# Altium PCB AIWAC_A33_LVDS07_20181114..PcbDoc (part 1 of 14)
Units mm, origin at the board's own origin, x right, y up, seen from the top; angles counter-clockwise.
Board outline 96.06 x 45 mm, 2 copper layers (Top Layer, Bottom Layer); 78 components, 59 nets, 22856 pads, 712 vias.
Unrouted connection lines stored in the file: 2.
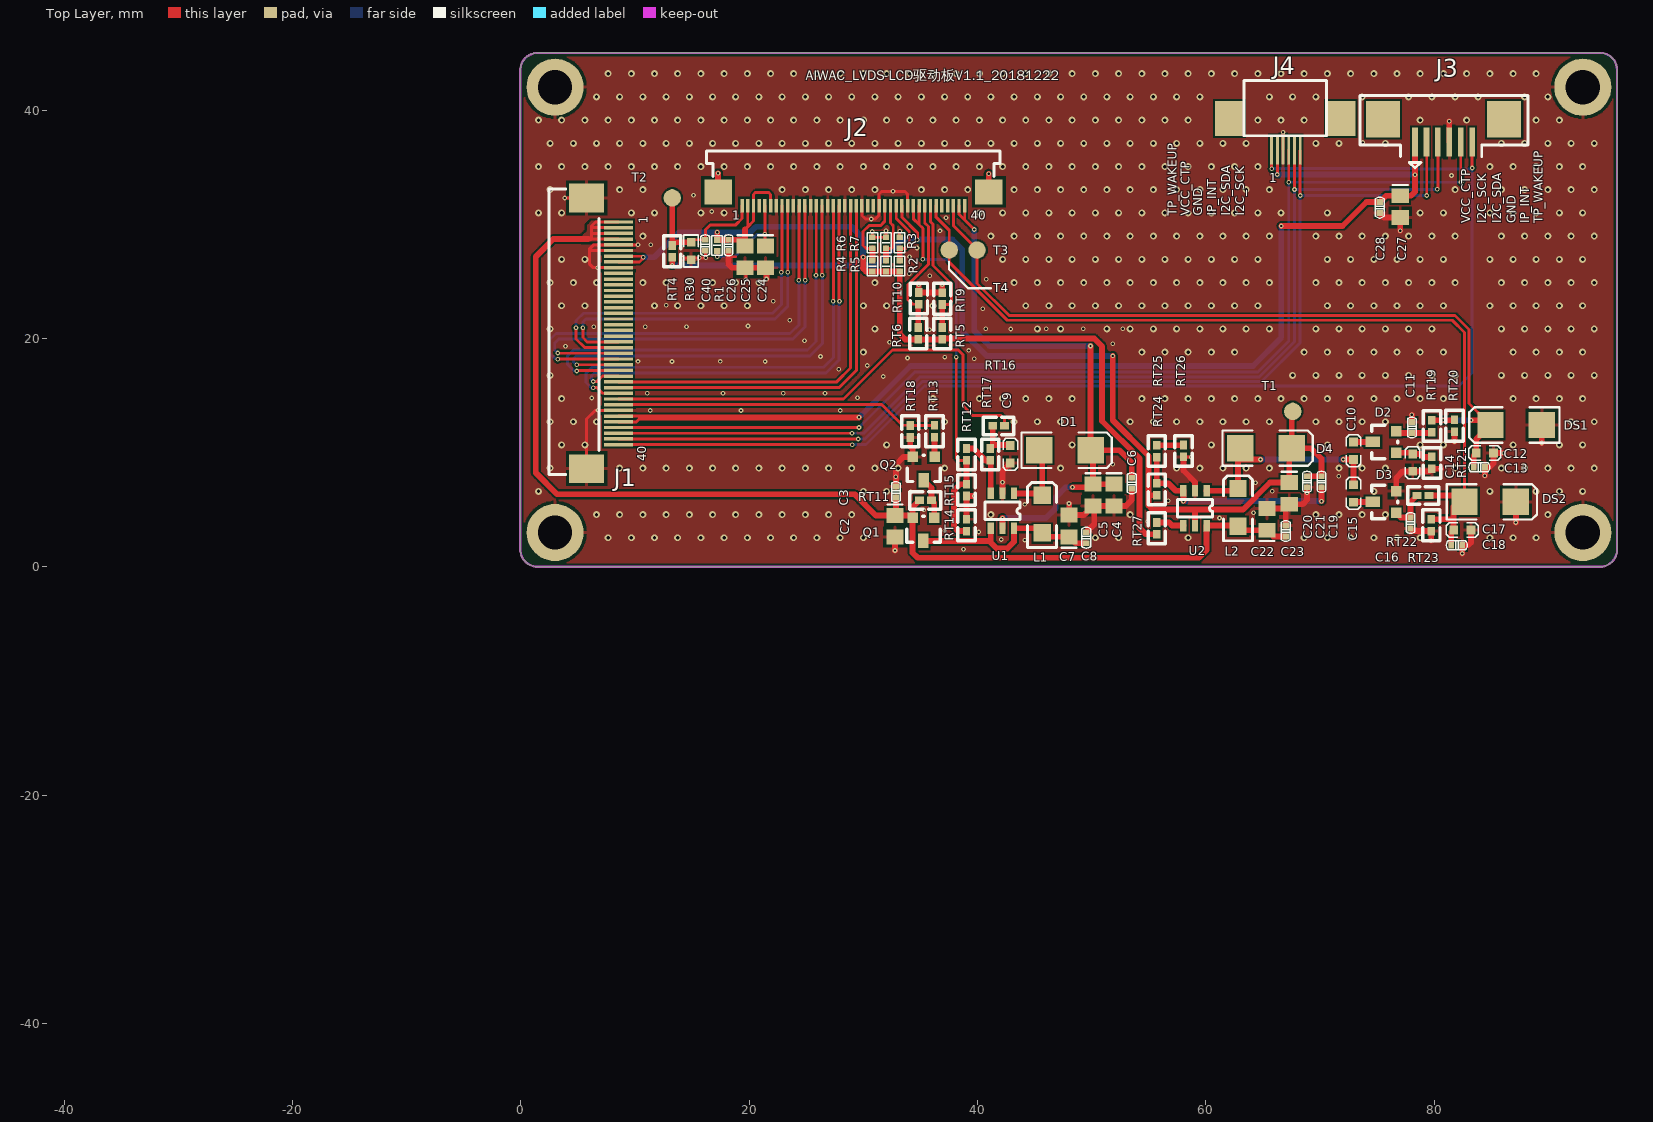
[diagram p0: Top Layer view]
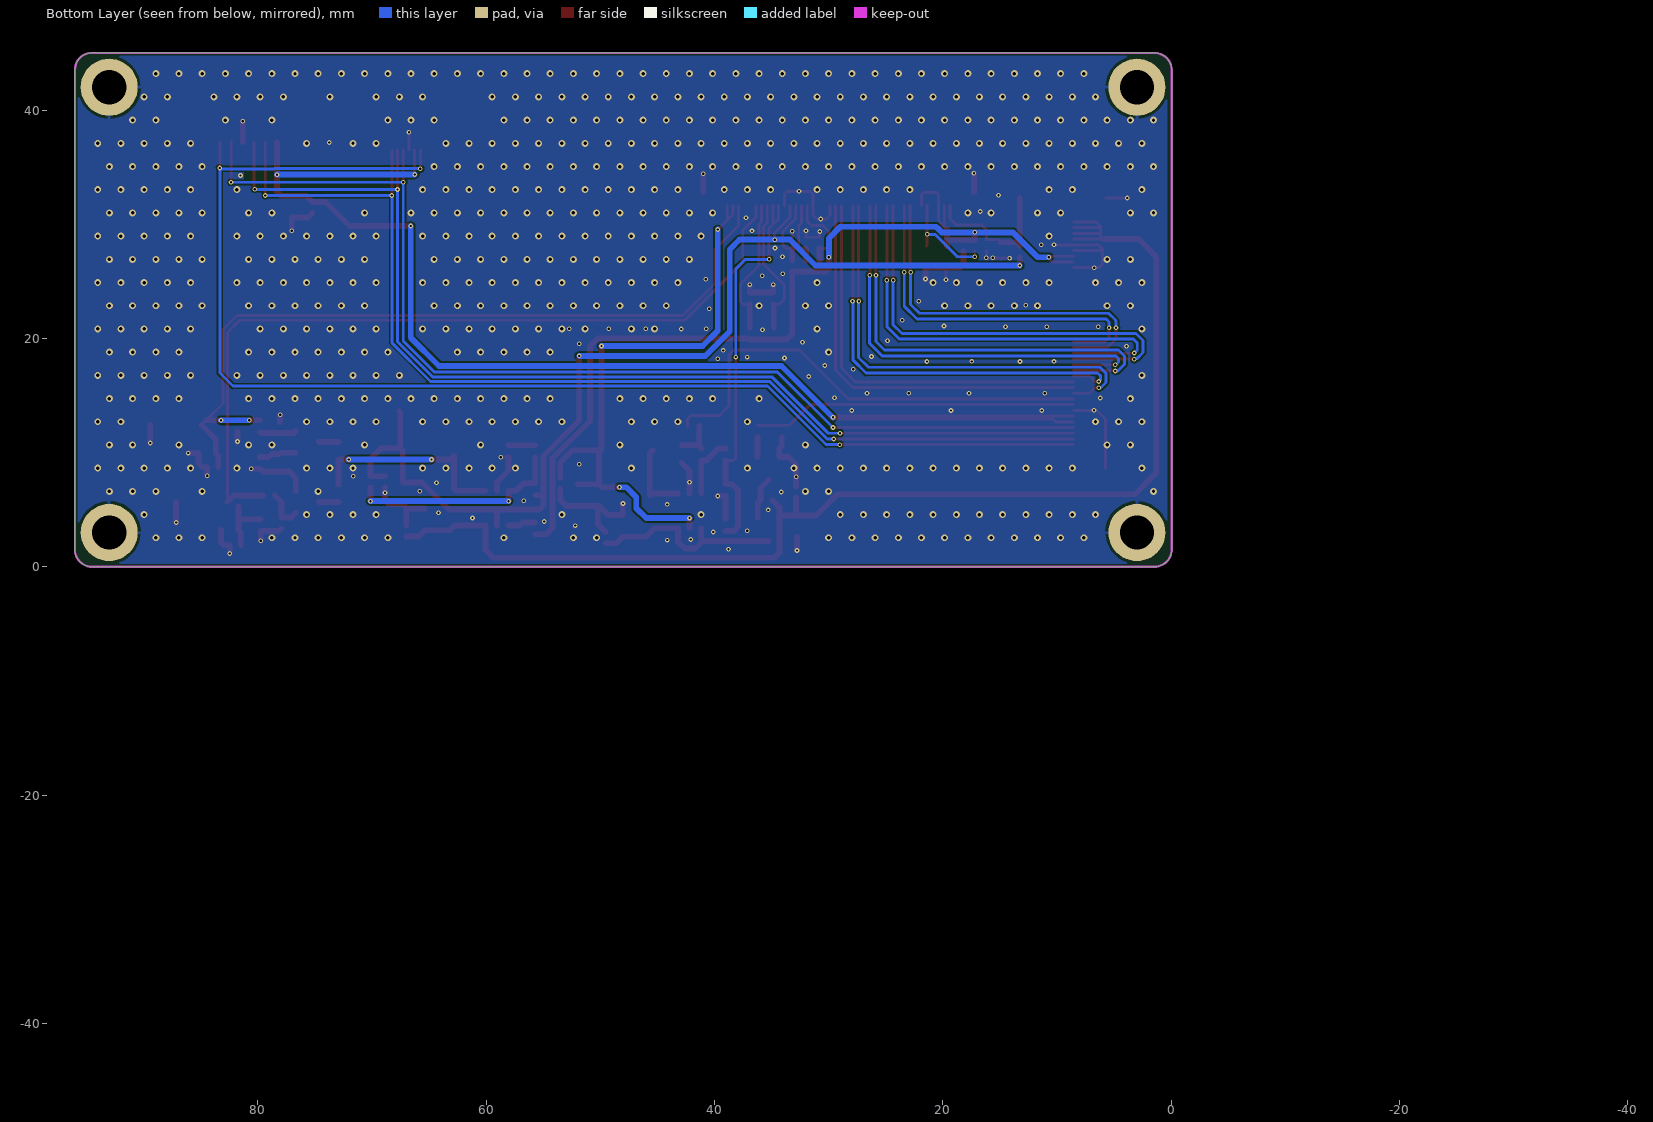
[diagram p1: Bottom Layer view, seen from below]

## Layer stack, top to bottom
Top Solder: solder mask 0.0102, Solder Resist, Dk 3.5
Top Layer: signal copper 0.0356
Dielectric 1: dielectric 0.32, FR-4, Dk 4.8
Bottom Layer: signal copper 0.0356
Bottom Solder: solder mask 0.0102, Solder Resist, Dk 3.5

## Board outline
1.5,0 cw(c1.472,1.528) -0.056,1.5 -0.056,43.5 cw(c1.472,43.472) 1.5,45 94.5,45 cw(c94.528,43.527) 96,43.555 96,1.5 cw(c94.5,1.5) 94.5,0

## Design rules (kind name [scope] priority, off if disabled: settings)
Clearance Clearance_1 [All] p1: gap=0.152
DiffPairsRouting DiffPair_DiffPairsRouting [All] p1: maxlimit=0.254 minlimit=0.254 mostfreqgap=0.254 toplayer_minwidth=0.254 toplayer_maxwidth=0.254 toplayer_prefwidth=0.254 bottomlayer_minwidth=0.254 bottomlayer_maxwidth=0.254 bottomlayer_prefwidth=0.254 maxuncoupledlength=12.7
DiffPairsRouting [All] p2: maxlimit=0.381 minlimit=0.254 mostfreqgap=0.254 toplayer_minwidth=0.254 toplayer_maxwidth=0.381 toplayer_prefwidth=0.254 bottomlayer_minwidth=0.254 bottomlayer_maxwidth=0.381 bottomlayer_prefwidth=0.254 maxuncoupledlength=12.7
MatchedLengths DiffPair_MatchedLengths [All] p1: tolerance=25.4 checknetsindiffpair=FALSE checkdiffpairvsdiffpair=TRUE checkxsignals=TRUE checkothers=TRUE
MinimumSolderMaskSliver [All] p1: minsoldermaskwidth=0.051
PlaneConnect [All] p1: planeconnectstyle=Direct reliefexpansion=0.508 reliefentries=4 reliefconductorwidth=0.254 reliefairgap=0.254
PolygonConnect PolygonConnect_2 [IsVia] p1: connectstyle=Direct reliefconductorwidth=0.254 reliefentries=4 polygonreliefangle="90 Angle" airgapwidth=0.254
PolygonConnect [All] p2: connectstyle=Relief reliefconductorwidth=0.254 reliefentries=4 polygonreliefangle="90 Angle" airgapwidth=0.254
RoutingVias [All] p1: holewidth=0.203 width=0.406 viastyle="Through Hole" minholewidth=0.203 minwidth=0.406 maxholewidth=0.203 maxwidth=0.406
SilkToSilkClearance [All] p1: silktosilkclearance=0.051
SilkToSolderMaskClearance [IsPad] p1: minsilkscreentomaskgap=0.051 clearancetoexposedcopper=TRUE
SolderMaskExpansion [All] p1: expansion=0.102
Width [All] p1: maxlimit=0.508 minlimit=0.152 preferedwidth=0.254 minimp=50.000000 maximp=50.000000 favimp=50.000000
25 further rules are at their usual default settings.

## Classes and differential pairs
differential pair D_LVDS0_C: +LVDS0_VPC -LVDS0_VNC
differential pair D_LCDS0_3: +LCDS0_VP3 -LCDS0_VN3
differential pair D_LVDS0_2: +LVDS0_VP2 -LVDS0_VN2
differential pair D_LVDS0_1: +LVDS0_VP1 -LVDS0_VN1
differential pair D_LVDS0_0: +LVDS0_VP0 -LVDS0_VN0

## Components (designator, comment, footprint, x,y, rotation, side; value= is the part's Value field where it differs from the comment)
C2 "10UF" C0805 32.766,3.546 r270 top locked
C3 "0.1UF" C0402 32.842,6.553 r90 top locked
C4 "10UF" C0805 51.954,6.286 r270 top locked
C5 "10UF" C0805 50.099,6.286 r270 top locked
C6 "0.1UF" C0402 53.503,7.308 r270 top locked
C7 "10UF" C0805 48.017,3.572 r90 top locked
C8 "0.1UF" C0402 49.515,2.549 r90 top locked
C9 "4.7UF" C0603 42.86,9.09 r90 top locked
C10 "1UF" C0603 72.923,10.922 r270 top locked
C11 "0.1UF" C0402 78.029,12.192 r90 top locked
C12 "1UF" C0603 85.185,9.957 r180 top locked
C13 "0.1UF" C0402 83.94,8.712 r0 top locked
C14 "0.1UF NC" C0603 78.105,8.357 r90 top locked
C15 "1UF" C0603 72.923,5.664 r90 top locked
C16 "0.1UF" C0402 77.915,3.835 r270 top locked
C17 "1UF" C0603 83.209,3.226 r180 top locked
C18 "0.1UF" C0402 81.964,1.88 r0 top locked
C19 "22PF" C0402 70.115,7.445 r270 top locked
C20 "10UF" C0805 67.295,6.423 r270 top locked
C21 "0.1UF" C0402 68.845,7.445 r270 top locked
C22 "10UF" C0805 65.339,4.156 r90 top locked
C23 "0.1UF" C0402 66.99,3.133 r90 top locked
C24 "10UF" C0805 21.438,27.134 r270 top locked
C25 "10UF" C0805 19.634,27.134 r270 top locked
C26 "0.1UF" C0402 18.186,28.156 r270 top locked
C27 "10UF" C0805 77.013,31.537 r270 top locked
C28 "0.1UF" C0402 75.209,31.455 r270 top locked
C40 "104J10V" C0402 16.154,28.156 r270 top locked
D1 "IN5819" SMB 47.65,10.208 r0 top locked
D2 "BAT54S" U-SOT-23-3 76.657,9.982 r90 top locked
D3 "BAT54S" U-SOT-23-3 76.657,4.724 r90 top locked
D4 "IN5819" SMB 65.253,10.385 r0 top locked
DS1 "16V" SMB 87.162,12.421 r180 top locked
DS2 "7.5V" SMB 84.887,5.69 r0 top locked
J1 "A33_CON_40P" "LCD P40" 5.751,8.596 r90 top locked
J2 "LVDS_LCD_40P" FPC-59240HU010R 19.372,31.623 r0 top locked
J3 "FPC1-6P/DT" "FPC 1MM-6PIN" 78.308,37.2 r0 top locked
J4 "FPC0.5-6P/DT" FPC0.5-6P/DT 65.746,36.48 r180 top locked
L1 "10UH" D1206 45.654,2.969 r90 top locked
L2 "10UH" D1206 62.799,3.553 r90 top locked
Q1 "PMOS" U-SOT-23-3 36.208,4.293 r180 top locked
Q2 "S8050" U-SOT-23-3 36.233,9.627 r180 top locked
R1 "10K" R0402 17.196,28.143 r90 top
R2 "10k" R0402 33.172,26.34 r270 top locked
R3 "10K(NC)" R0402 33.172,28.372 r270 top locked
R4 "10K" R0402 30.785,26.34 r270 top locked
R5 "10K" R0402 31.979,26.34 r270 top locked
R6 "10K" R0402 30.785,28.372 r270 top locked
R7 "10K" R0402 31.979,28.372 r270 top locked
R30 "1.5K(1%)" R0603 14.91,26.899 r90 top locked
RT4 "2.4K(1%)" 0402 13.259,28.143 r270 top locked
RT5 "10K(NC)" 0402 36.906,19.914 r90 top locked
RT6 "10K" 0402 34.798,19.914 r90 top locked
RT9 "10K" 0402 36.906,22.962 r90 top locked
RT10 "10K(NC)" 0402 34.849,22.987 r90 top locked
RT11 "10K" 0402 34.912,5.817 r0 top locked
RT12 "1K" 0402 39.025,9.319 r90 top locked
RT13 "4.7K" 0402 36.233,11.354 r90 top locked
RT14 "1.5R(1%)" 0402 39.025,3.121 r90 top locked
RT15 "NC" 0402 39.025,7.236 r270 top locked
RT16 "13K" 0402 41.319,12.341 r0 top locked
RT17 "1K" 0402 41.108,9.319 r90 top locked
RT18 "10K" 0402 34.1,12.37 r270 top locked
RT19 "1K" 0402 79.781,12.827 r270 top locked
RT20 "6.8K" 0402 81.763,11.836 r90 top locked
RT21 "20K  NC" 0402 79.781,8.585 r90 top locked
RT22 "1K" 0402 79.527,6.248 r180 top locked
RT23 "6.8K" 0402 79.731,3.124 r90 top locked
RT24 "100K" 0402 55.687,6.271 r90 top locked
RT25 "1K" 0402 55.687,10.639 r270 top locked
RT26 "1K" 0402 58.024,9.623 r90 top locked
RT27 "4.7K" 0402 55.687,3.883 r270 top locked
T1 "TP" PAD#1 67.6,13.611 r90 top locked
T2 "TP" PAD#2 12.624,32.766 r90 top locked
T3 "TP" PAD#1 39.954,27.737 r180 top locked
T4 "TP" PAD#1 37.516,27.737 r90 top locked
U1 "AP3031" U-SOT-23-6 43.191,6.423 r0 top locked
U2 "AP3019" U-SOT-23-6 60.056,6.652 r0 top locked

## Footprints (in the part's own frame and the unit in brackets; to place one, negate y for a bottom-side part, rotate by r counter-clockwise, add the part's x,y. Pads: shape width x height; smd on the part's side, far side on the other; paste and mask are expansions set on the pad)
0402 [mil]
  rect 30x25 smd: 1(0,0) 2(41,0)
  silkscreen extent -33,-30 73,30
C0402 [mil]
  rect 20x22 smd: 1(-19,0) 2(19,0)
  silkscreen extent -36,-15 36,15
C0603 [mil]
  rect 30x30 smd: 1(0,0) 2(60,0)
  silkscreen extent -25,-25 85,25, body extent -1,-15 61,16, height 12
C0805 [mm] "Chip Capacitor; Body 2.0 x 1.2 mm (LxW typ)"
  rect 1.3x1.5 smd: 1(-0.95,0) 2(0.95,0)
  silkscreen extent -1.9,-0.65 -1.9,0.65
D1206 [mil]
  rect 60x60 smd: 1(0,0) 2(130,0)
  silkscreen extent -50,-50 174,50, body extent -22,-40 151,40, height 47
FPC0.5-6P/DT [mil]
  rect 100x120 smd: 0(-238.67,-109.79) 0(145.19,-109.79)
  rect 10x100 smd: 1(-0.19,-0.21) 2(-19.87,-0.21) 3(-39.56,-0.21) 4(-59.24,-0.21) 5(-78.93,-0.21) 6(-98.61,-0.21)
  silkscreen extent -189,-240 95,-50
"FPC 1MM-6PIN" [mm]
  rect 0.5x2.5 smd: 1(0,0) 2(1,0) 3(2,0) 4(3,0) 5(4,0) 6(5,0)
  rect 3x3.2 smd: 7(7.8,2) 8(-2.8,2)
  silkscreen extent -4.83,-2.29 9.91,4.06
FPC-59240HU010R [mm]
  rect 2.4x2.2 smd: 0(-2.1,1.2) 0(21.6,1.2)
  rect 0.3x1.2 smd: 1(0,0) 2(0.5,0) 3(1,0) 4(1.5,0) 5(2,0) 6(2.5,0) 7(3,0) 8(3.5,0) 9(4,0) 10(4.5,0) 11(5,0) 12(5.5,0) 13(6,0) 14(6.5,0) 15(7,0) 16(7.5,0) 17(8,0) 18(8.5,0) 19(9,0) 20(9.5,0) 21(10,0) 22(10.5,0) 23(11,0) 24(11.5,0) 25(12,0) 26(12.5,0) 27(13,0) 28(13.5,0) 29(14,0) 30(14.5,0) 31(15,0) 32(15.5,0) 33(16,0) 34(16.5,0) 35(17,0) 36(17.5,0) 37(18,0) 38(18.5,0) 39(19,0) 40(19.5,0)
  silkscreen extent -3.1,2.54 22.6,4.8, body extent -3.1,0.89 22.61,4.8, height 1
"LCD P40" [mm] "0.5MM 下接"
  rect 0.3x2.54 smd: 1(21.6,-2.783) 2(21.1,-2.783) 3(20.6,-2.783) 4(20.1,-2.783) 5(19.6,-2.783) 6(19.1,-2.783) 7(18.6,-2.783) 8(18.1,-2.783) 9(17.6,-2.783) 10(17.1,-2.783) 11(16.6,-2.783) 12(16.1,-2.783) 13(15.6,-2.783) 14(15.1,-2.783) 15(14.6,-2.783) 16(14.1,-2.783) 17(13.6,-2.783) 18(13.1,-2.783) 19(12.6,-2.783) 20(12.1,-2.783) 21(11.6,-2.783) 22(11.1,-2.783) 23(10.6,-2.783) 24(10.1,-2.783) 25(9.6,-2.783) 26(9.1,-2.783) 27(8.6,-2.783) 28(8.1,-2.783) 29(7.6,-2.783) 30(7.1,-2.783) 31(6.6,-2.783) 32(6.1,-2.783) 33(5.6,-2.783) 34(5.1,-2.783) 35(4.6,-2.783) 36(4.1,-2.783) 37(3.6,-2.783) 38(3.1,-2.783) 39(2.6,-2.783) 40(2.1,-2.783)
  rect 2.5x3.048 smd: 41(0,0) 42(23.7,0)
  silkscreen extent -0.5,-1.1 24.5,3.3
PAD#1 [mil]
  round 60 smd mask+15: 1(0,0)
PAD#2 [mil]
  round 60 smd mask+15: 1(-18,-25)
R0402 [mil]
  rect 20x22 smd: 1(-19,0) 2(19,0)
  silkscreen extent -34,-18 34,18
R0603 [mil]
  rect 30x30 smd: 1(0,0) 2(60,0)
  silkscreen extent -25,-25 85,25, body extent 0,-16 62,15, height 18
SMB [mm] "DO-214-AA/SMB; 2 C-Bend Leads; Body 5.3 x 3.6 mm, inc. leads (LxW)"
  rect 2.3x2.3 smd: 1(-2.25,0) 2(2.25,0)
  silkscreen extent -3.8,-1.55 4.1,1.55
U-SOT-23-3 [mil]
  rect 36x36 smd: 1(0,0) 2(75,0)
  rect 36x50 smd: 3(38,80)
  silkscreen extent -20,-5 95,85, body extent -20,-10 95,90, height 50
U-SOT-23-6 [mil]
  rect 22x40 smd: 1(0,0) 2(-40,0) 3(-80,0) 4(-80,-120) 5(-40,-120) 6(0,-120)
  silkscreen extent -100,-90 20,-30, body extent -101,-127 19,10, height 59

## Part data
C2 C4 C5 C7 C20 C22 C24 C25 C27: library part C0805X7R-226K25V, "贴片电容-陶瓷"
C3 C6 C8 C11 C13 C16 C18 C19 C21 C23 C26 C28 C40: library part C0402X7R-104J10V, "贴片电容-陶瓷"
C9 C10 C12 C14 C15 C17: library part C0603X7R-330J25V, "贴片电容-陶瓷"
D1 D4 DS1 DS2: library part "D Schottky", "Schottky Diode"
J1 J2: library part LCD_40P, "LCD_40P"
J3 J4: library part J-FPC0.5-6P/DT, "FPC端子"
L1 L2: library part 3.3uH, "贴片电感-屏蔽"
Q1: "贴片MOSFET管"
Q2: library part "SS8050 TO-23", "三极管"
R1 R2 R3 R4 R5 R6 R7: library part R0402-4.7KF, "贴片电阻-通用"
R30 RT4 RT5 RT6 RT9 RT10 RT11 RT12 RT13 RT14 RT15 RT16 RT17 RT18 RT19 RT20 RT21 RT22 RT23 RT24 RT25 RT26 RT27: library part R0603-10KF, "贴片电阻-通用"

## Free pads (board coordinates)
  round 5 hole 3 unplated: 0(3,3) 0(93,3)
  round 5 hole 3: 0(3,42) 0(93,42)